# Altium PCB Onju-Home.PcbDoc (part 1 of 2)
Units mil, origin at the board's own origin, x right, y up, seen from the top; angles counter-clockwise.
Board outline 2933.07 x 2778.08 mil, 4 copper layers (Top Layer, Ground Plane, Power Plane, Bottom Layer), stack 23.712 mil thick; 83 components, 57 nets, 303 pads, 299 vias.
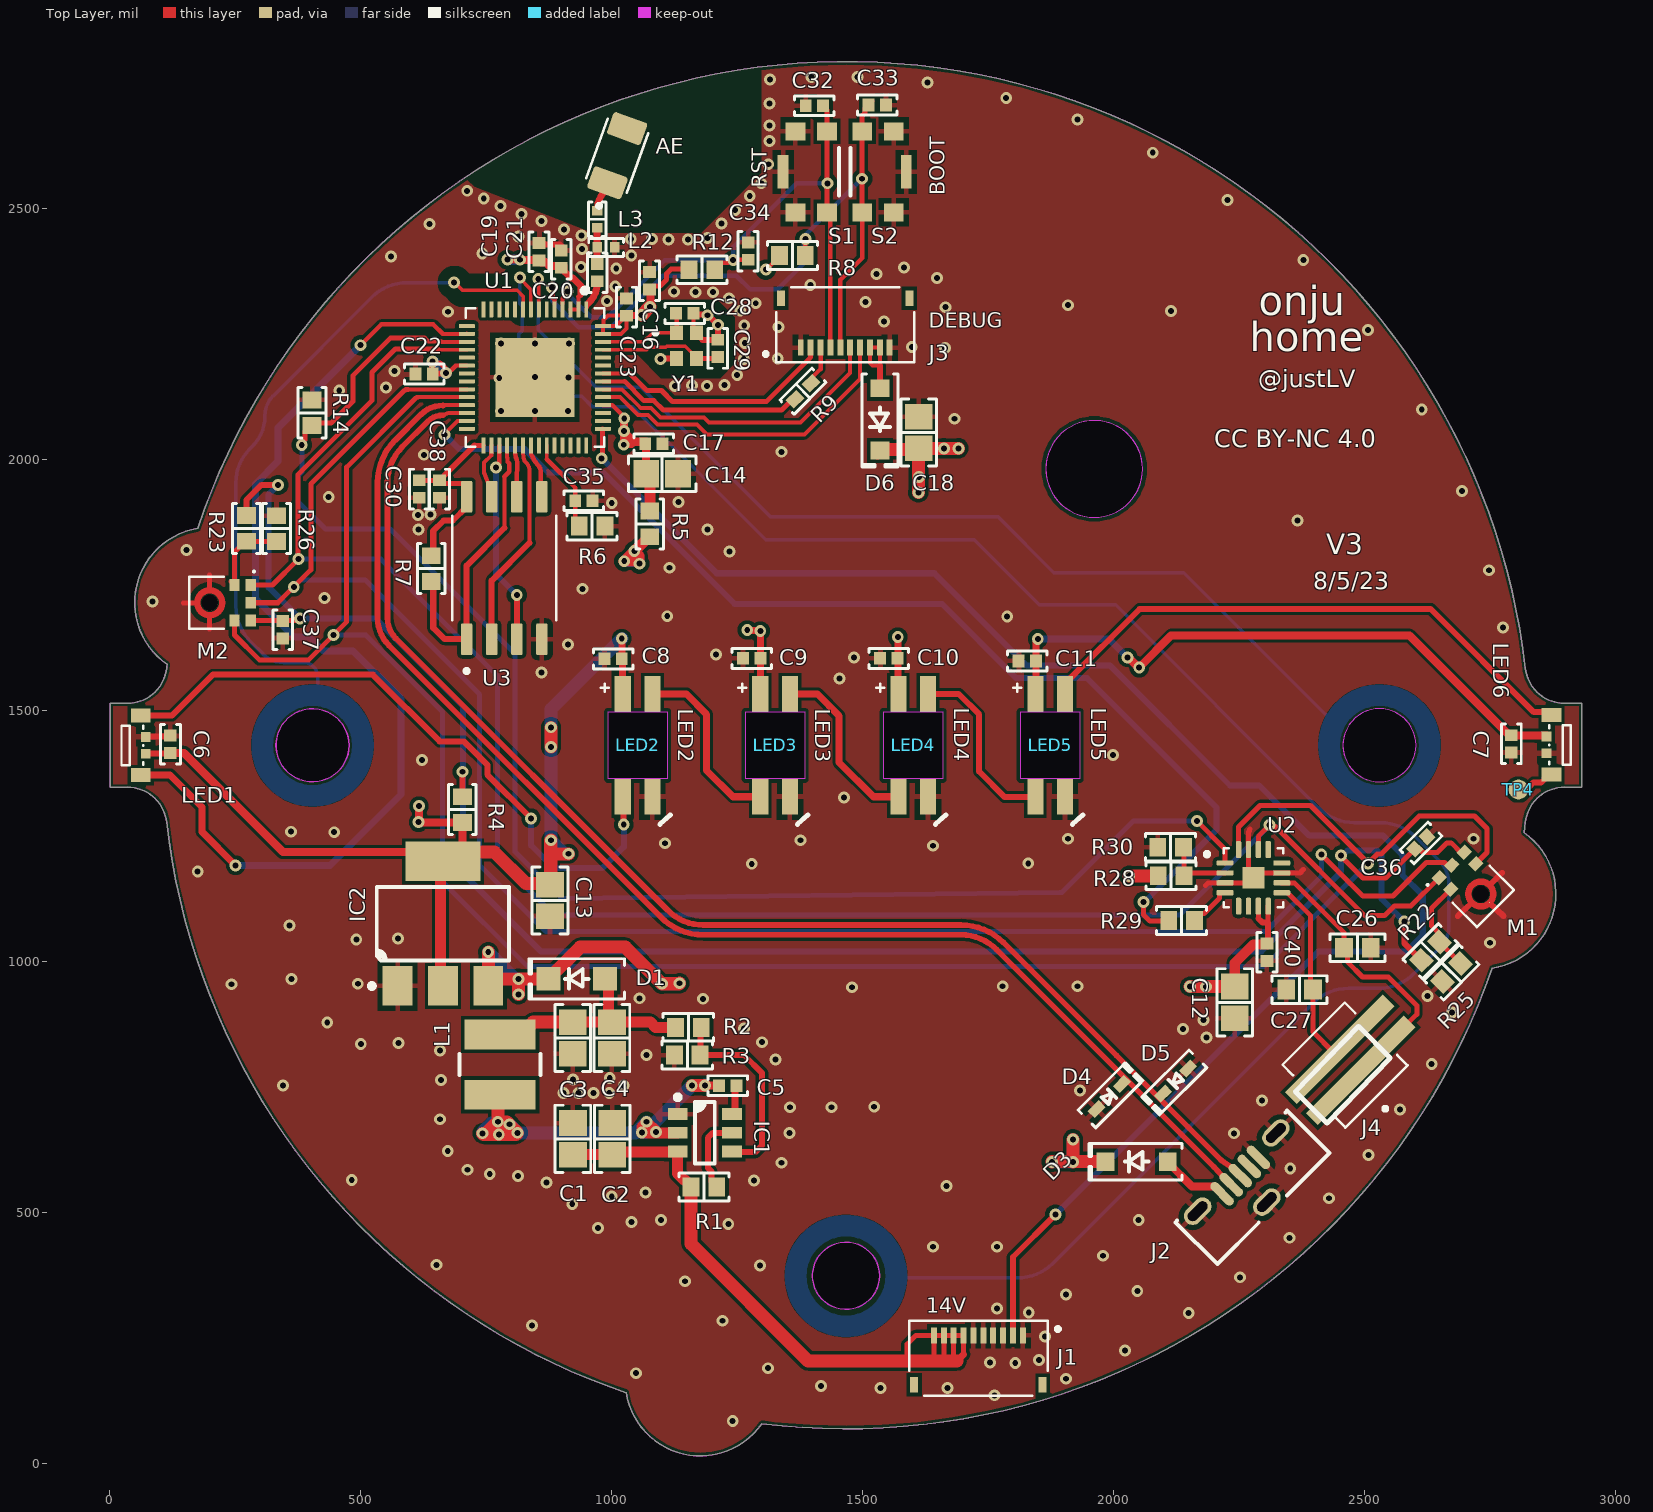
[diagram p0: Top Layer view]
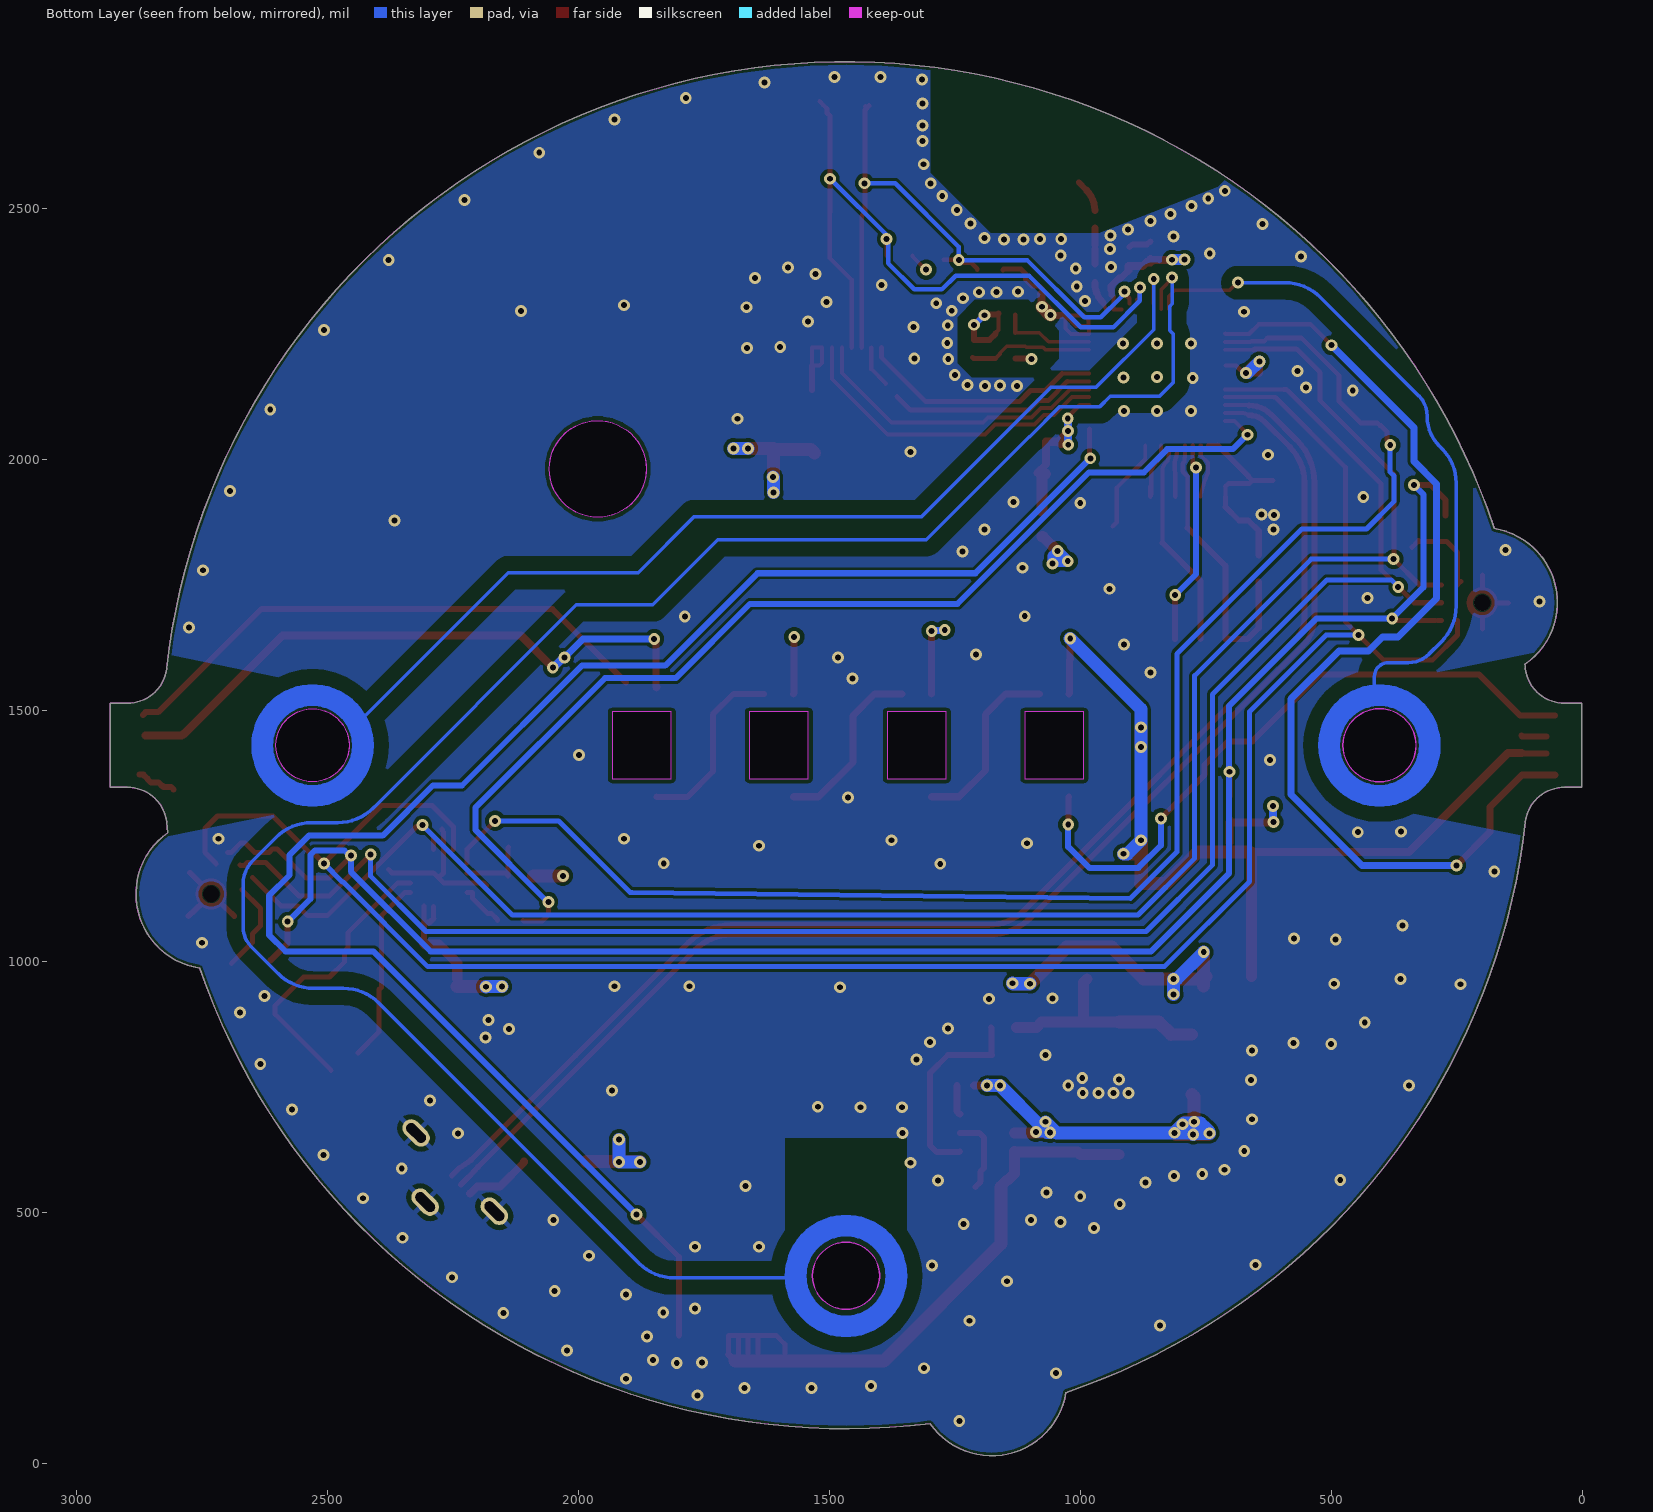
[diagram p1: Bottom Layer view, seen from below]
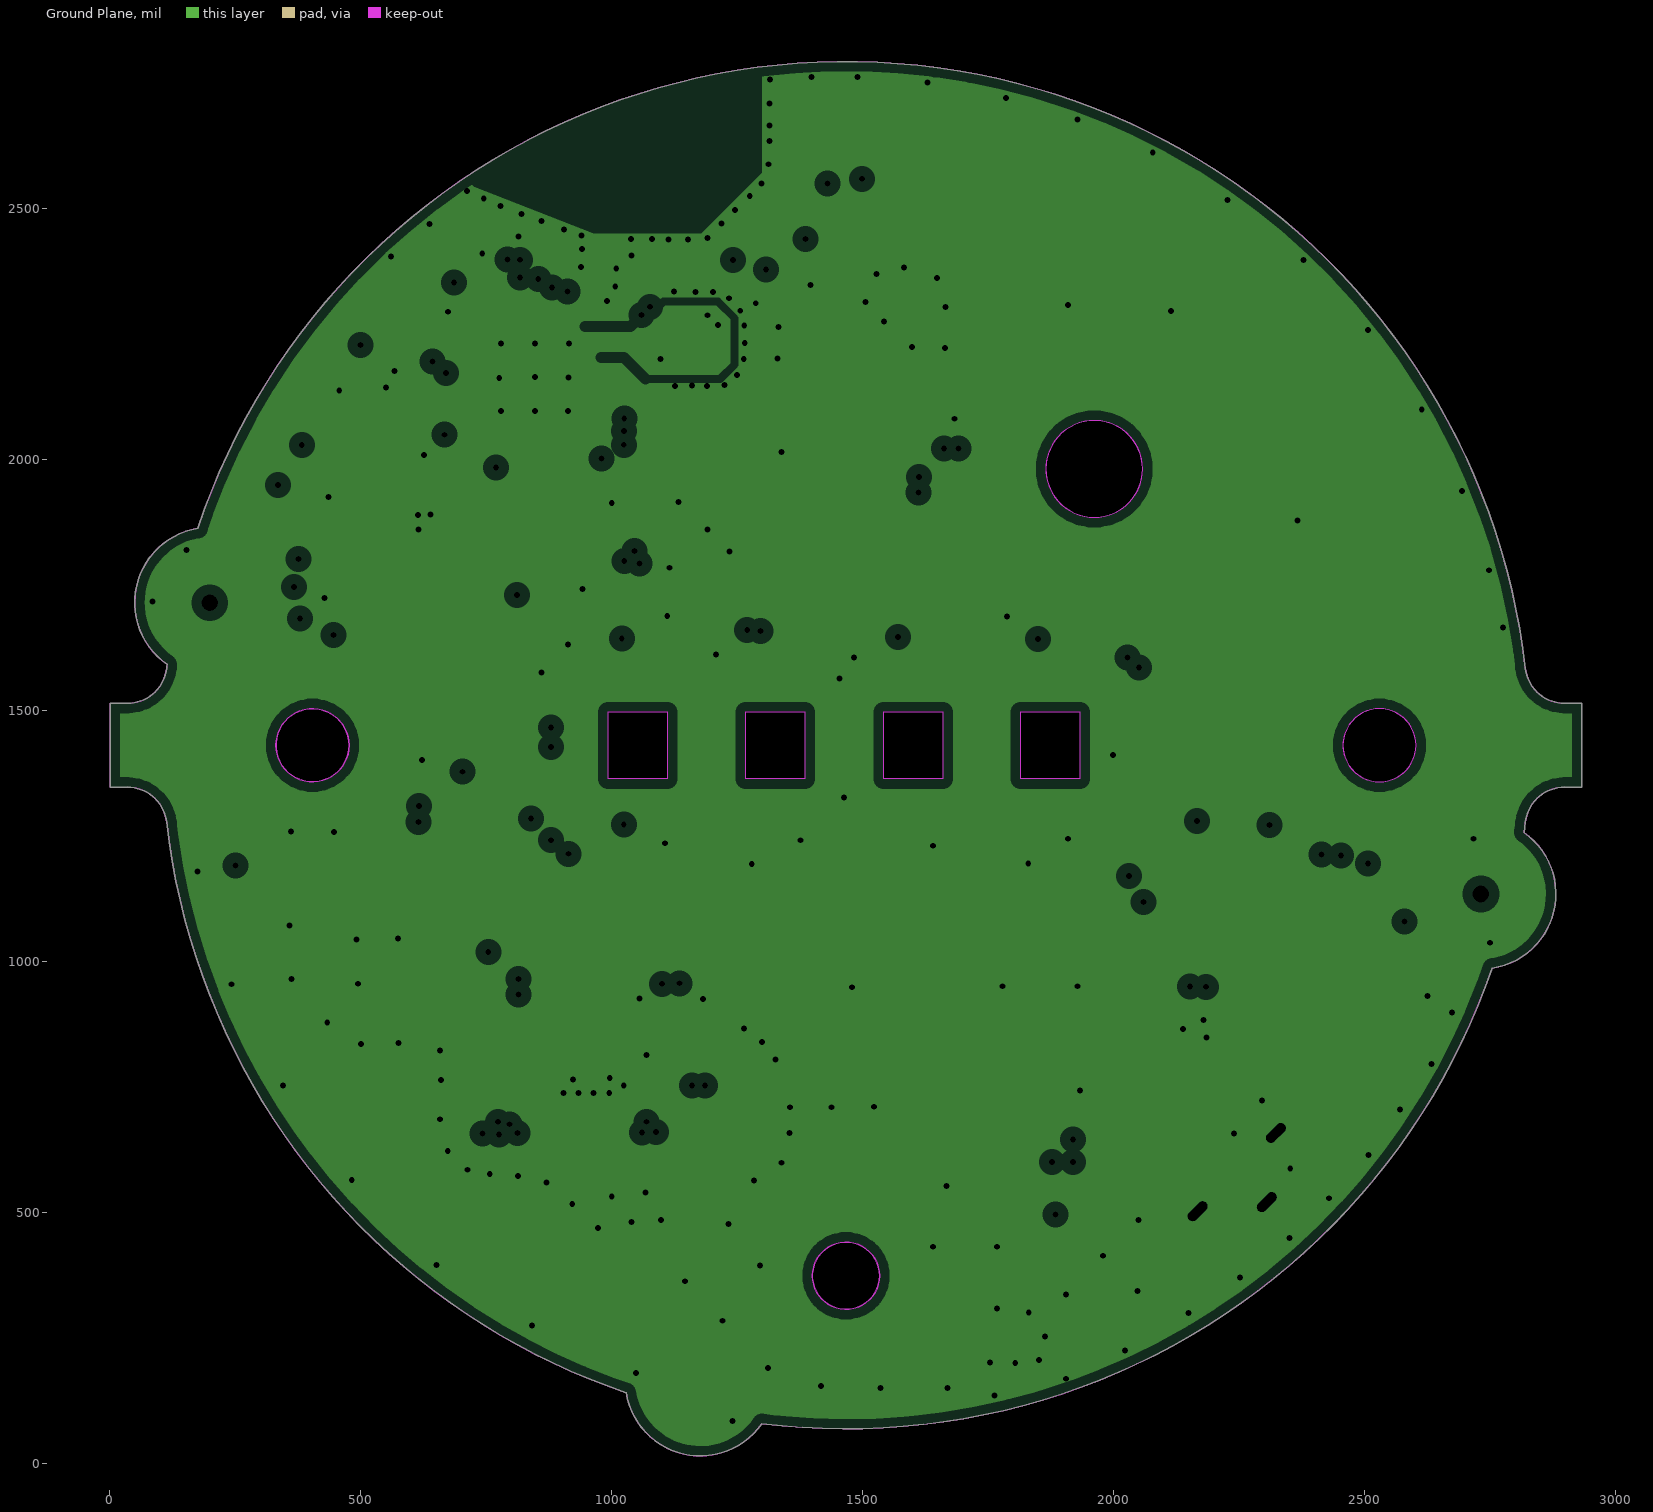
[diagram p2: Ground Plane, clearances drawn from the general rule]
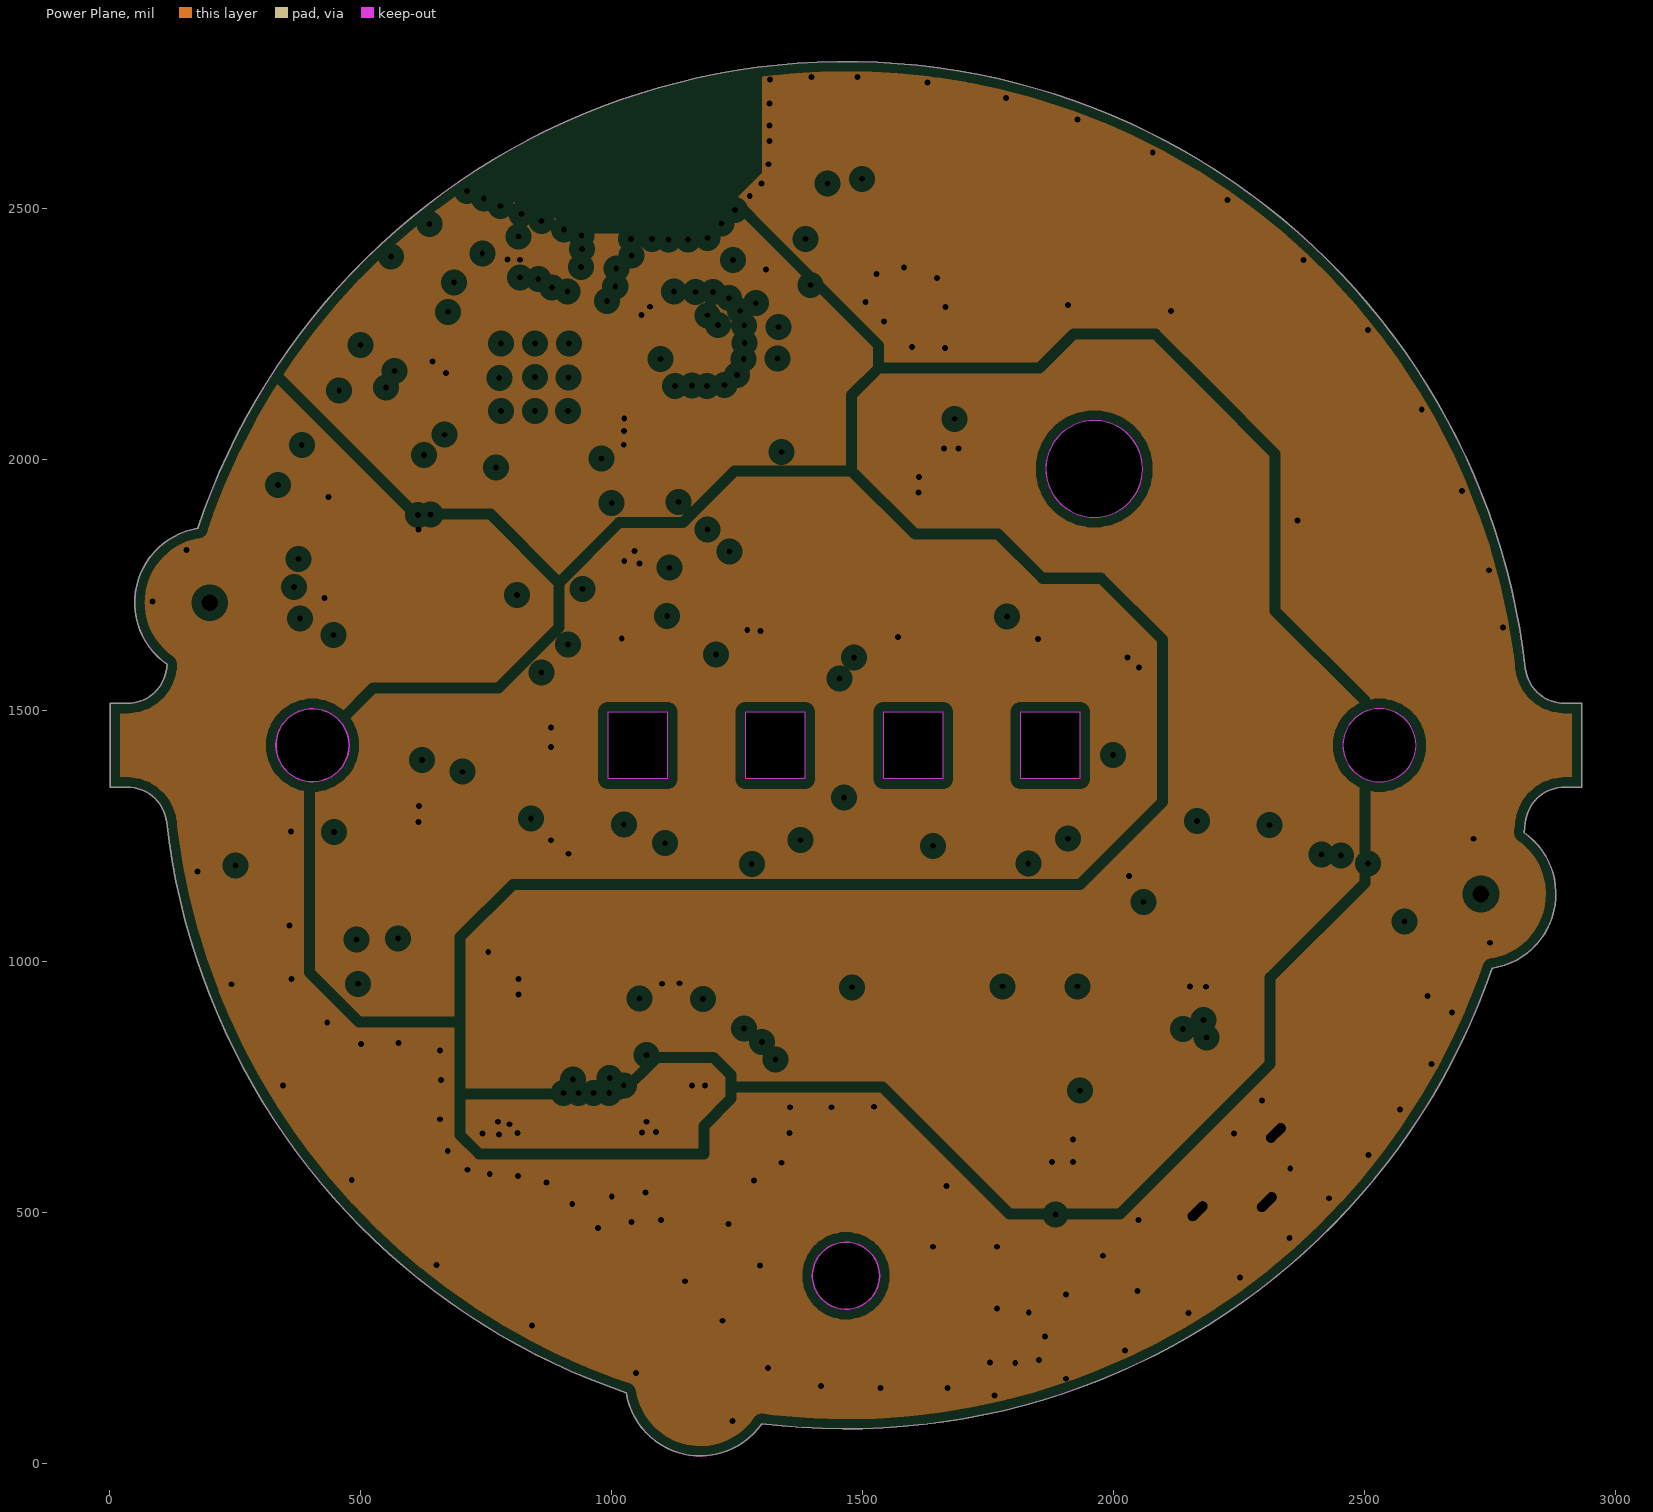
[diagram p3: Power Plane, clearances drawn from the general rule]
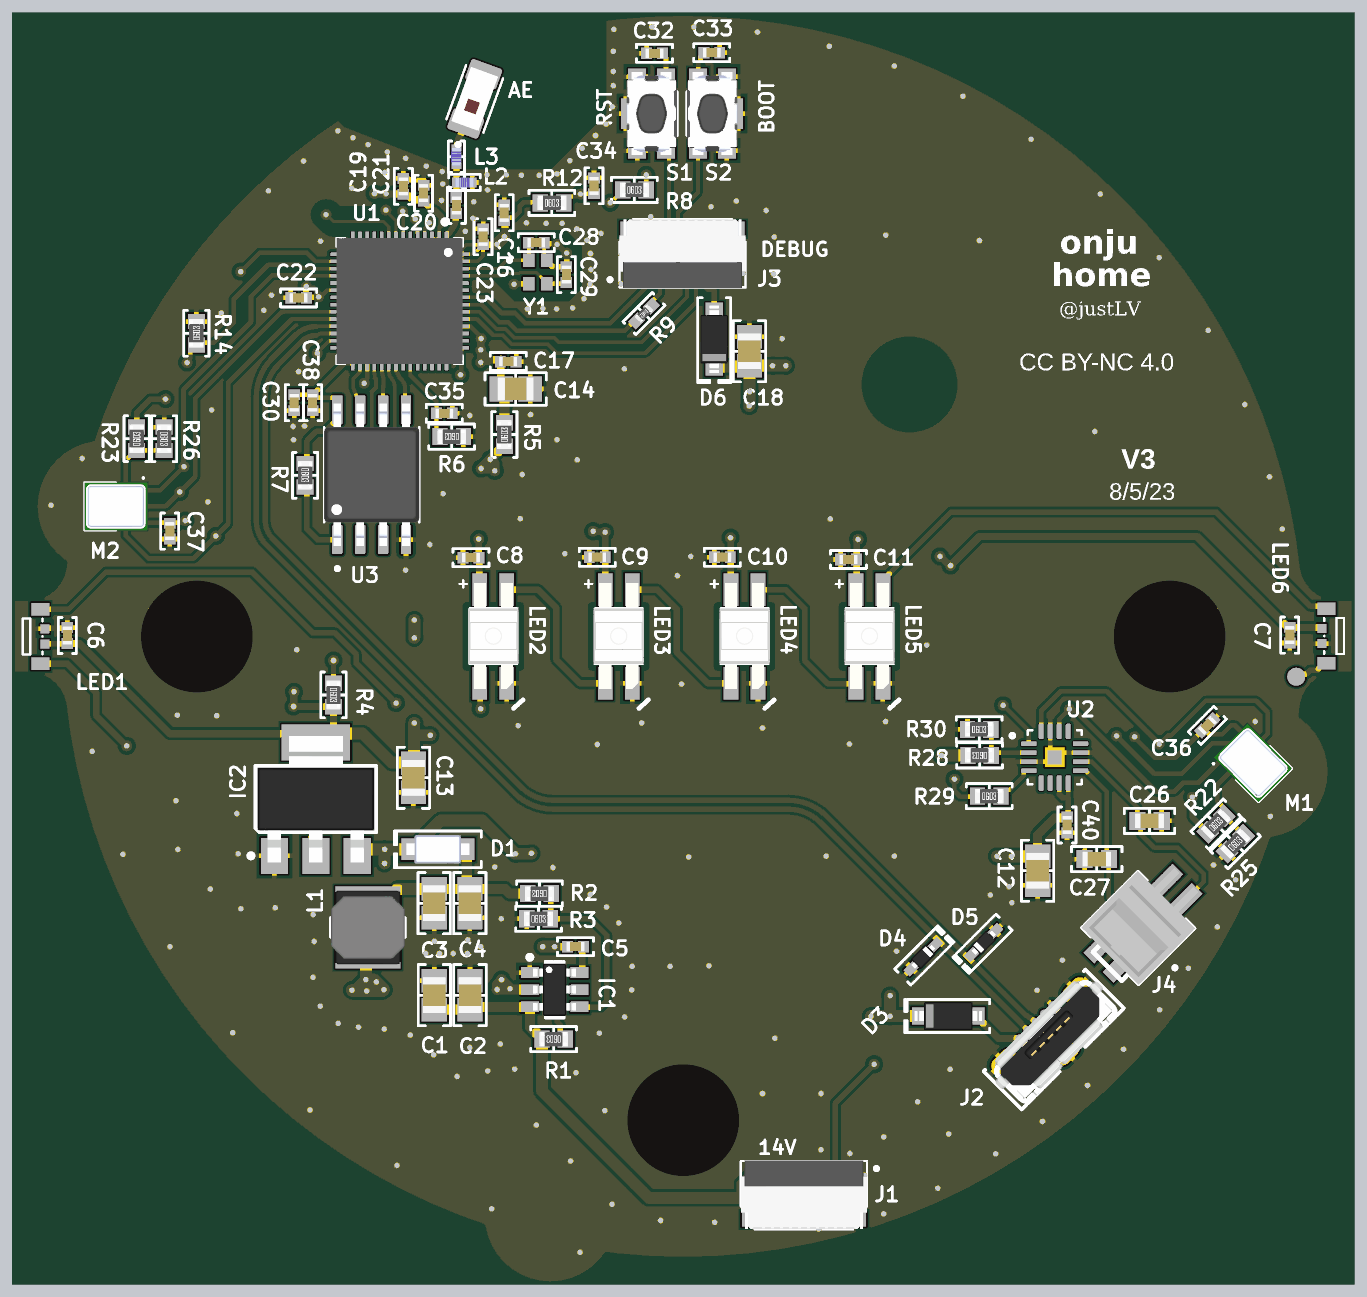
[diagram p5: 3D render of the assembled board from above, using the file's embedded part models]

## Layer stack, top to bottom
Top Solder: solder mask 0.4, Solder Resist, Dk 3.5
Top Layer: signal copper 1.378
Dielectric 2: prepreg 2.8, PP-006, Dk 4.1
Ground Plane: plane copper 1.378, net GND
Dielectric 1: dielectric 12.6, FR-4, Dk 4.8
Power Plane: plane copper 1.378, net (Multiple Nets)
Dielectric 3: prepreg 2.8, PP-006, Dk 4.1
Bottom Layer: signal copper 1.378
Bottom Solder: solder mask 0.4, Solder Resist, Dk 3.5

## Board outline
0.25,1346.57 35.02,1346.57 cw(c35.02,1267.83) 113.26,1276.71 ccw(c1466.79,1430.24) 1028.73,140.39 ccw(c1176.49,163.86) 1299.26,78.37 ccw(c1466.79,1430.24) 2754.57,986.14 ccw(c2731.79,1134) 2817.85,1256.37 ccw(c1467.21,1430.18) 2820.31,1276.71 cw(c2898.55,1267.83) 2898.55,1346.57 2933.32,1346.57 2933.32,1513.9 2898.55,1513.9 cw(c2898.55,1592.64) 2820.31,1583.76 ccw(c1466.79,1430.24) 174.89,1862.23 175.52,1862.34 ccw(c199.06,1714.59) 114.15,1591.42 ccw(c1465.9,1430.34) 113.26,1583.76 cw(c35.02,1592.64) 35.02,1513.9 0.25,1513.9
cut-out: 2529.78,1357.4 ccw(c2529.78,1430.24) 2602.61,1430.24 ccw(c2529.78,1430.24) 2529.78,1503.07 ccw(c2529.78,1430.24) 2456.94,1430.24 ccw(c2529.78,1430.24)
cut-out: 1961.41,1884.39 ccw(c1961.41,1980.85) 2057.87,1980.85 ccw(c1961.41,1980.85) 1961.41,2077.31 ccw(c1961.41,1980.85) 1864.96,1980.85 ccw(c1961.41,1980.85)
cut-out: 476.63,1430.24 cw(c403.79,1430.24) 403.79,1357.4 cw(c403.79,1430.24) 330.96,1430.24 cw(c403.79,1430.24) 403.79,1503.07 cw(c403.79,1430.24)
cut-out: 1533.71,373.15 cw(c1466.79,373.15) 1466.79,306.22 cw(c1466.79,373.15) 1399.86,373.15 cw(c1466.79,373.15) 1466.79,440.08 cw(c1466.79,373.15)

## Design rules (kind name [scope] priority, off if disabled: settings)
Clearance Clearance_1 [InNetClass('touch') vs IsRegion] p1: gap=10 ignorepadtopadclearanceinfootprint=FALSE except(0: Arc-Hole Track-Hole SMDPad-Hole THPad-Hole Via-Hole Fill-Hole Poly-Hole Region-Hole Text-Hole; 7: Arc-SMDPad Track-SMDPad SMDPad-Fill SMDPad-Poly SMDPad-Region; 8: Arc-Arc Arc-Track Track-Track SMDPad-SMDPad SMDPad-THPad SMDPad-Via; 30: Arc-Fill Arc-Poly Arc-Region Track-Fill Track-Poly Track-Region)
Clearance [All] p2: gap=8 ignorepadtopadclearanceinfootprint=FALSE except(0: Arc-Hole Track-Hole SMDPad-Hole THPad-Hole Via-Hole Fill-Hole Poly-Hole Region-Hole Text-Hole; 6: Arc-Arc Arc-Track Arc-SMDPad Arc-Fill Arc-Poly Arc-Region Track-Track Track-SMDPad Track-Fill Track-Poly Track-Region SMDPad-SMDPad; 7: SMDPad-Fill SMDPad-Poly SMDPad-Region)
DiffPairsRouting [All] p1: maxlimit=10 minlimit=5 mostfreqgap=8 toplayer_minwidth=8 toplayer_maxwidth=15 toplayer_prefwidth=10.5 bottomlayer_minwidth=8 bottomlayer_maxwidth=15 bottomlayer_prefwidth=10.5 maxuncoupledlength=500
PlaneClearance [All] p1: clearance=20
PlaneConnect PlaneConnect_1 [Not IsVia] p1: planeconnectstyle=Relief reliefexpansion=20 reliefentries=4 reliefconductorwidth=10 reliefairgap=10
PlaneConnect [All] p2: planeconnectstyle=Direct reliefexpansion=20 reliefentries=4 reliefconductorwidth=10 reliefairgap=10
PolygonConnect PolygonConnect_1 [IsVia vs InNet('GND')] p1: connectstyle=Direct reliefconductorwidth=10 reliefentries=4 polygonreliefangle="90 Angle" airgapwidth=10
PolygonConnect [All] p2: connectstyle=Relief reliefconductorwidth=10 reliefentries=4 polygonreliefangle="90 Angle" airgapwidth=10
RoutingVias [All] p1: holewidth=28 width=50 viastyle="Through Hole" minholewidth=7.87 minwidth=15.75 maxholewidth=28 maxwidth=50
SilkToSolderMaskClearance [IsPad] p1 off: minsilkscreentomaskgap=10 clearancetoexposedcopper=TRUE
SolderMaskExpansion SolderMaskExpansion_1 [IsVia] p1: expansion=4 istentingtop=TRUE
SolderMaskExpansion [All] p2: expansion=4 istentingtop=FALSE
Width [All] p1: maxlimit=78.74 minlimit=7 preferedwidth=10 minimp=50.000000 maximp=50.000000 favimp=50.000000
26 further rules are at their usual default settings.

## Classes and differential pairs
net class touch: TOUCH_C TOUCH_L TOUCH_R
differential pair D: +D_P -D_N

## Components (designator, comment, footprint, x,y, rotation, side; value= is the part's Value field where it differs from the comment)